# Altium PCB PCB_15122020_01BC.PcbDoc (part 2 of 9) (continued)
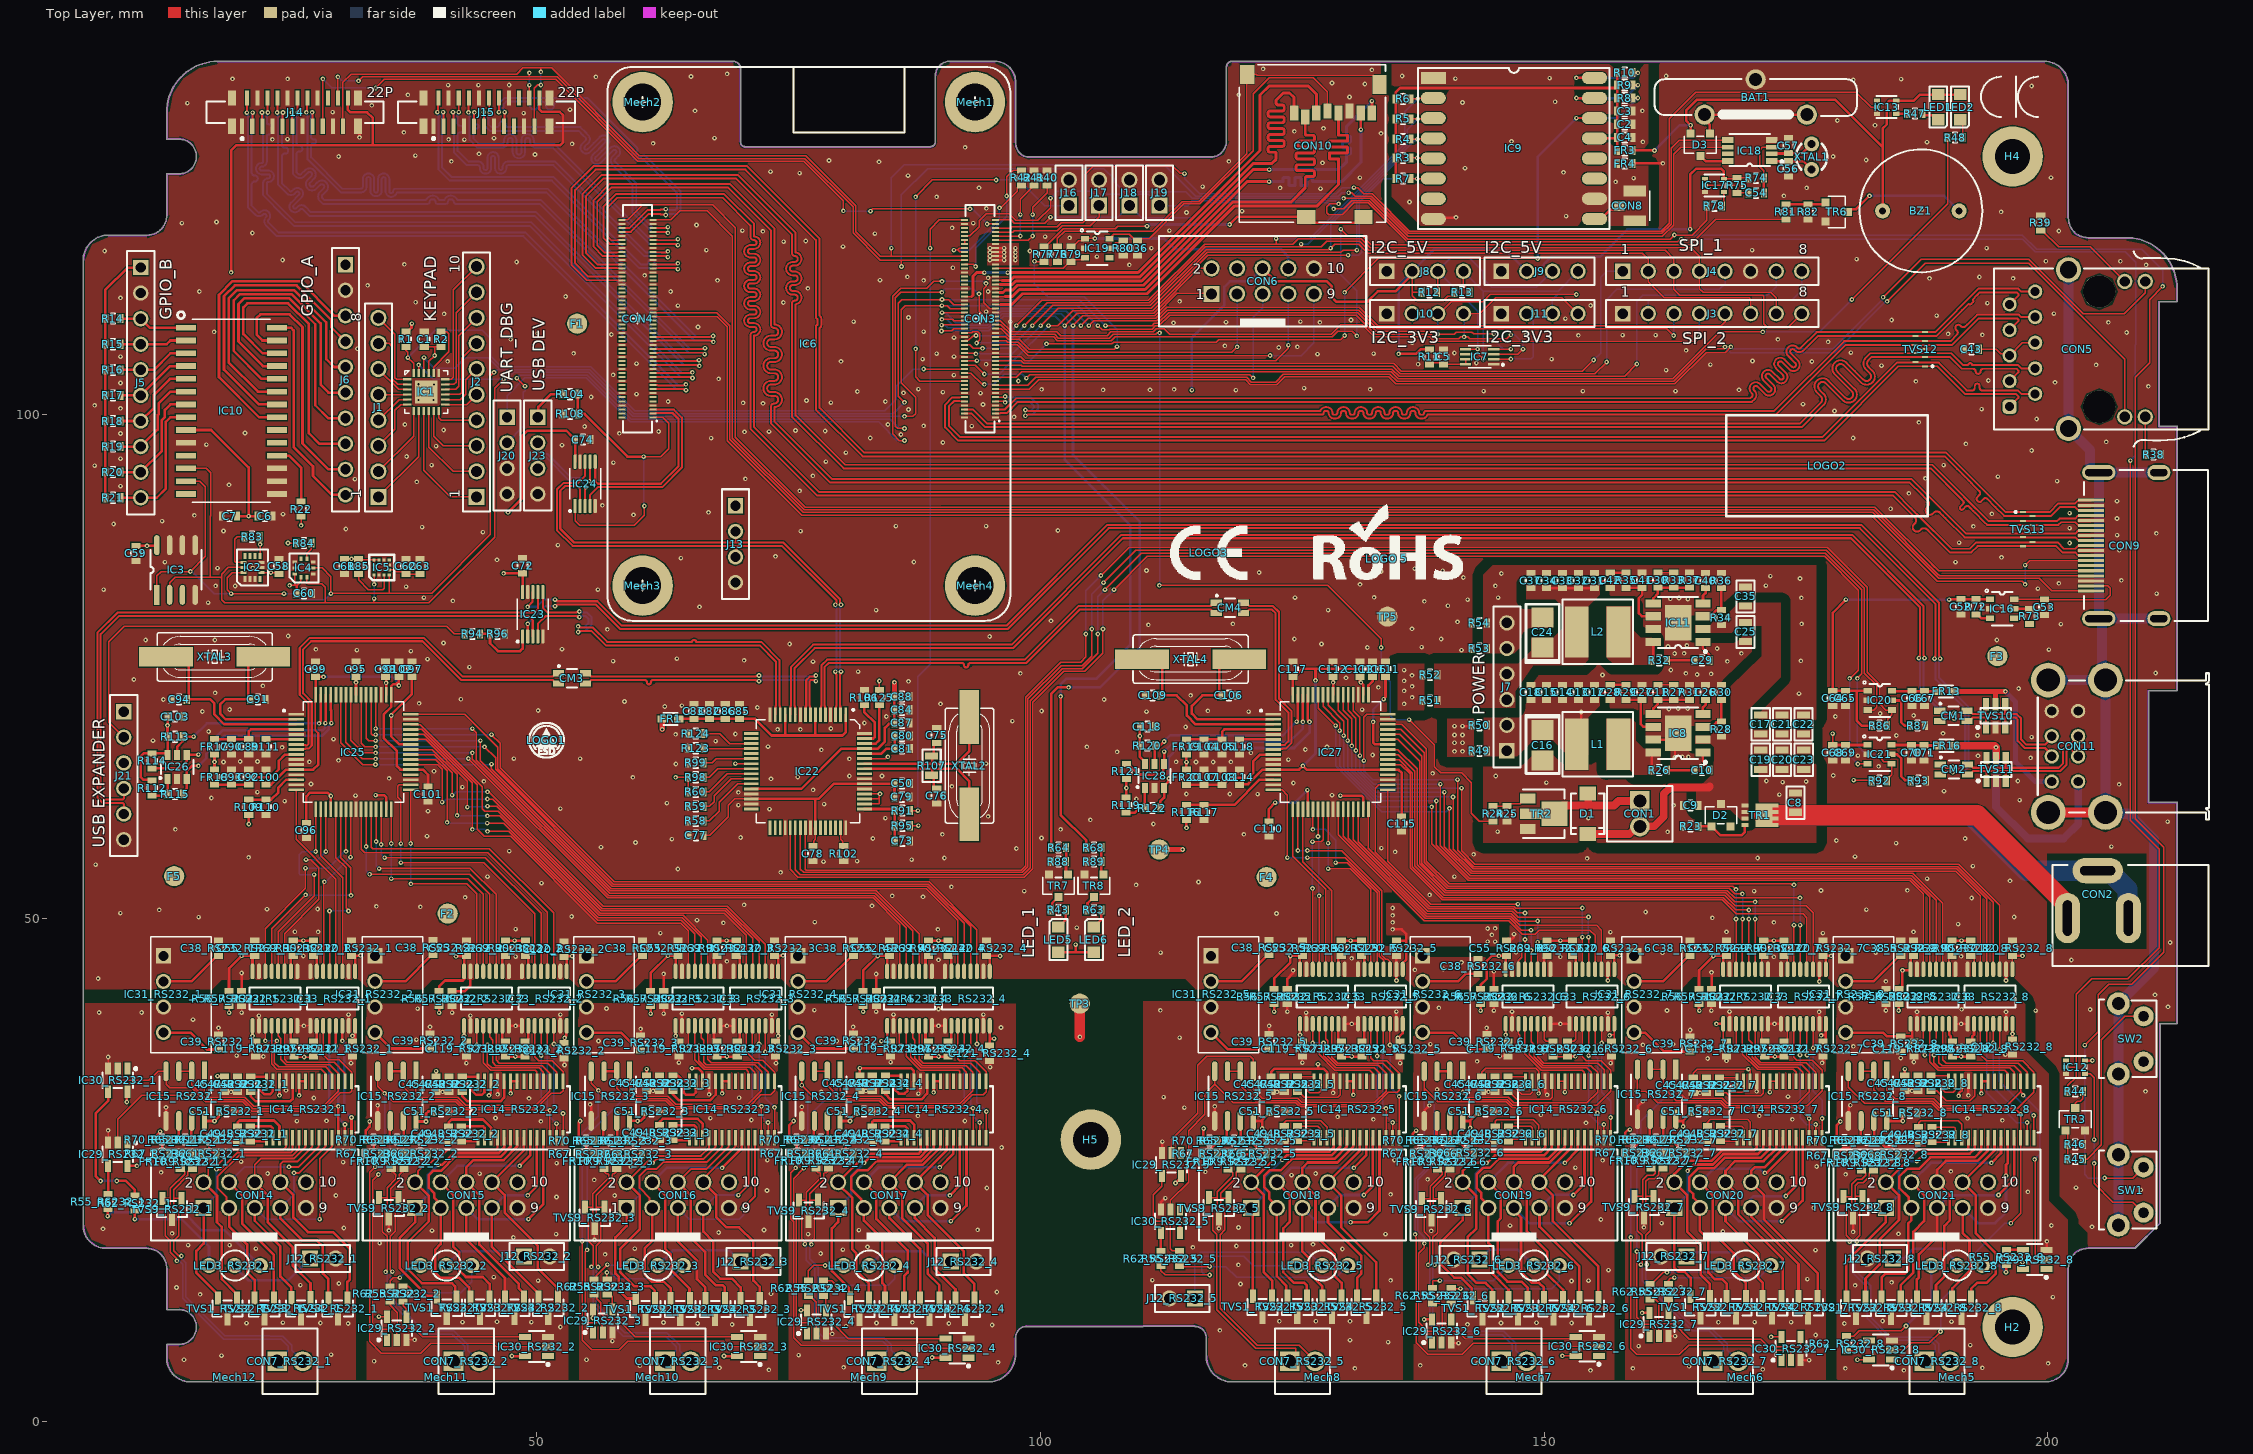
[diagram p0: Top Layer view]
## Footprints (in the part's own frame and the unit in brackets; to place one, negate y for a bottom-side part, rotate by r counter-clockwise, add the part's x,y. Pads: shape width x height; smd on the part's side, far side on the other; paste and mask are expansions set on the pad) (continued)
FORKCRYSTAL [mm]
  round 1.5 hole 0.8: 1(-1.27,0) 2(1.27,0)
  silkscreen extent -1.27,-1.54 1.27,1.54, body extent -1.72,-1.6 1.73,1.6, height 8.27
FR_0603 [mm]
  rect 0.6x0.9 smd: 1(-0.75,0) 2(0.75,0)
  silkscreen extent -0.2,-0.5 0.2,0.5, body extent -0.8,-0.4 0.8,0.4, height 0.81
HLGA10_2P5X2P5 [mil]
  rect 18x12 smd paste+0 mask+0: 1(-36,11.81) 2(-36,-11.81) 6(36,-11.81) 7(36,11.81)
  rect 12x18 smd paste+0 mask+0: 3(-23.62,-36) 4(0,-36) 5(23.62,-36) 8(23.62,36) 9(0,36) 10(-23.62,36)
  silkscreen extent -56,-56 56,56, body extent -39,-39 39,39, height 32
HRS_DF40C-100DS-0.4V(51) [mm]
  rect 0.2x0.7 smd: 1(-9.8,-1.54) 2(-9.8,1.54) 3(-9.4,-1.54) 4(-9.4,1.54) 5(-9,-1.54) 6(-9,1.54) 7(-8.6,-1.54) 8(-8.6,1.54) 9(-8.2,-1.54) 10(-8.2,1.54) 11(-7.8,-1.54) 12(-7.8,1.54) 13(-7.4,-1.54) 14(-7.4,1.54) 15(-7,-1.54) 16(-7,1.54) 17(-6.6,-1.54) 18(-6.6,1.54) 19(-6.2,-1.54) 20(-6.2,1.54) 21(-5.8,-1.54) 22(-5.8,1.54) 23(-5.4,-1.54) 24(-5.4,1.54) 25(-5,-1.54) 26(-5,1.54) 27(-4.6,-1.54) 28(-4.6,1.54) 29(-4.2,-1.54) 30(-4.2,1.54) 31(-3.8,-1.54) 32(-3.8,1.54) 33(-3.4,-1.54) 34(-3.4,1.54) 35(-3,-1.54) 36(-3,1.54) 37(-2.6,-1.54) 38(-2.6,1.54) 39(-2.2,-1.54) 40(-2.2,1.54) 41(-1.8,-1.54) 42(-1.8,1.54) 43(-1.4,-1.54) 44(-1.4,1.54) 45(-1,-1.54) 46(-1,1.54) 47(-0.6,-1.54) 48(-0.6,1.54) 49(-0.2,-1.54) 50(-0.2,1.54) 51(0.2,-1.54) 52(0.2,1.54) 53(0.6,-1.54) 54(0.6,1.54) 55(1,-1.54) 56(1,1.54) 57(1.4,-1.54) 58(1.4,1.54) 59(1.8,-1.54) 60(1.8,1.54) 61(2.2,-1.54) 62(2.2,1.54) 63(2.6,-1.54) 64(2.6,1.54) 65(3,-1.54) 66(3,1.54) 67(3.4,-1.54) 68(3.4,1.54) 69(3.8,-1.54) 70(3.8,1.54) 71(4.2,-1.54) 72(4.2,1.54) 73(4.6,-1.54) 74(4.6,1.54) 75(5,-1.54) 76(5,1.54) 77(5.4,-1.54) 78(5.4,1.54) 79(5.8,-1.54) 80(5.8,1.54) 81(6.2,-1.54) 82(6.2,1.54) 83(6.6,-1.54) 84(6.6,1.54) 85(7,-1.54) 86(7,1.54) 87(7.4,-1.54) 88(7.4,1.54) 89(7.8,-1.54) 90(7.8,1.54) 91(8.2,-1.54) 92(8.2,1.54) 93(8.6,-1.54) 94(8.6,1.54) 95(9,-1.54) 96(9,1.54) 97(9.4,-1.54) 98(9.4,1.54) 99(9.8,-1.54) 100(9.8,1.54)
  silkscreen extent -11.3,-1.91 11.3,1.44, body extent -11.3,-1.69 11.3,1.69, height 1.61
L-KLS1-DC-005A-2.0 [mm]
  oval 2.5x5 hole 0.9 slot 3.5 at 90 deg: 1(13.75,0) 2(7.7,0)
  oval 5x2.5 hole 3.5 slot 0.9 at 90 deg: 3(10.75,-4.7)
  silkscreen extent -0.25,-5.25 15.25,4.75, body extent 0,-5 14.5,4.5, height 10.71
LGA12 [mm]
  rect 0.3x0.3 smd mask+0: 1(-0.75,0.75) 2(-0.75,0.25) 3(-0.75,-0.25) 4(-0.75,-0.75) 5(-0.25,-0.75) 6(0.25,-0.75) 7(0.75,-0.75) 8(0.75,-0.25) 9(0.75,0.25) 10(0.75,0.75) 11(0.25,0.75) 12(-0.25,0.75)
  silkscreen extent -1.25,-1.25 1.25,1.25, body extent -1,-1 1,1, height 0.96
MSOP-10N [mm]
  rrect50% 1.4x0.3 smd: 1(-2.2,1) 2(-2.2,0.5) 3(-2.2,0) 4(-2.2,-0.5) 5(-2.2,-1) 6(2.2,-1) 7(2.2,-0.5) 8(2.2,0) 9(2.2,0.5) 10(2.2,1)
  silkscreen extent -2.8,-1.55 1.55,1.6, body extent -2.46,-1.5 2.46,1.5, height 1
PowerDI3333-8 [mm]
  rect 0.42x0.7 smd: 1(-0.975,-1.5) 1(-0.325,-1.5) 1(0.325,-1.5) 2(0.975,-1.5) 3(-0.975,1.5) 3(-0.325,1.5) 3(0.325,1.5) 3(0.975,1.5)
  rect 2.37x1.71 smd: 3(0,0.4)
  body extent -1.65,-1.65 1.65,1.65, height 0.76
PQFN50P300X250X86-14N [mm]
  rect 0.6x0.3 smd mask+0: 1(-1.16,0.75) 2(-1.16,0.25) 3(-1.16,-0.25) 4(-1.16,-0.75) 8(1.16,-0.75) 9(1.16,-0.25) 10(1.16,0.25) 11(1.16,0.75)
  rect 0.3x0.6 smd mask+0: 5(-0.5,-0.91) 6(0,-0.91) 7(0.5,-0.91) 12(0.5,0.91) 13(0,0.91) 14(-0.5,0.91)
  silkscreen extent -1.78,-1.52 1.78,1.52, body extent -1.5,-1.25 1.5,1.25, height 0.89
QFP50P1200X1200X160-64N [mm]
  rrect25% 1.56x0.28 smd: 1(-5.68,3.75) 2(-5.68,3.25) 3(-5.68,2.75) 4(-5.68,2.25) 5(-5.68,1.75) 6(-5.68,1.25) 7(-5.68,0.75) 8(-5.68,0.25) 9(-5.68,-0.25) 10(-5.68,-0.75) 11(-5.68,-1.25) 12(-5.68,-1.75) 13(-5.68,-2.25) 14(-5.68,-2.75) 15(-5.68,-3.25) 16(-5.68,-3.75) 33(5.68,-3.75) 34(5.68,-3.25) 35(5.68,-2.75) 36(5.68,-2.25) 37(5.68,-1.75) 38(5.68,-1.25) 39(5.68,-0.75) 40(5.68,-0.25) 41(5.68,0.25) 42(5.68,0.75) 43(5.68,1.25) 44(5.68,1.75) 45(5.68,2.25) 46(5.68,2.75) 47(5.68,3.25) 48(5.68,3.75)
  rrect25% 0.28x1.56 smd: 17(-3.75,-5.68) 18(-3.25,-5.68) 19(-2.75,-5.68) 20(-2.25,-5.68) 21(-1.75,-5.68) 22(-1.25,-5.68) 23(-0.75,-5.68) 24(-0.25,-5.68) 25(0.25,-5.68) 26(0.75,-5.68) 27(1.25,-5.68) 28(1.75,-5.68) 29(2.25,-5.68) 30(2.75,-5.68) 31(3.25,-5.68) 32(3.75,-5.68) 49(3.75,5.68) 50(3.25,5.68) 51(2.75,5.68) 52(2.25,5.68) 53(1.75,5.68) 54(1.25,5.68) 55(0.75,5.68) 56(0.25,5.68) 57(-0.25,5.68) 58(-0.75,5.68) 59(-1.25,5.68) 60(-1.75,5.68) 61(-2.25,5.68) 62(-2.75,5.68) 63(-3.25,5.68) 64(-3.75,5.68)
  silkscreen extent -7,-5 5,5, body extent -6,-6 6,6, height 1.61
QSOP16 [mm]
  oval 1.55x0.4 smd: 1(-2.7,2.222) 2(-2.7,1.587) 3(-2.7,0.952) 4(-2.7,0.317) 5(-2.7,-0.318) 6(-2.7,-0.953) 7(-2.7,-1.588) 8(-2.7,-2.222) 9(2.7,-2.222) 10(2.7,-1.587) 11(2.7,-0.952) 12(2.7,-0.317) 13(2.7,0.318) 14(2.7,0.953) 15(2.7,1.588) 16(2.7,2.222)
  silkscreen extent -1.09,-2.54 1.09,2.54, body extent -3.01,-2.49 3.01,2.49, height 1.81
R0603 [mm]
  rect 0.6x0.9 smd: 1(-0.75,0) 2(0.75,0)
  silkscreen extent -0.2,-0.5 0.2,0.5, body extent -0.8,-0.4 0.8,0.4, height 0.46
R0805 [mm]
  rect 0.7x1.3 smd: 1(-0.95,0) 2(0.95,0)
  silkscreen extent -1.6,-0.9 1.6,0.9, body extent -1,-0.62 1,0.63, height 0.61
RFM95 [mm]
  rect 2.5x1.2 smd: 1(-8,7)
  oval 2.5x1.2 smd: 2(-8,5) 3(-8,3) 4(-8,1) 5(-8,-1) 6(-8,-3) 7(-8,-5) 8(-8,-7) 9(8,-7) 10(8,-5) 11(8,-3) 12(8,-1) 13(8,1) 14(8,3) 15(8,5) 16(8,7)
  silkscreen extent -9.5,-8 9.5,8, body extent -8,-7.9 8,8, height 2.24
RFM-0505S [mm] "dc-dc modul"
  rect 1.508x1.508 hole 1: 1(-3.85,-1.75)
  round 1.508 hole 1: 2(-1.31,-1.75) 3(1.23,-1.75) 4(3.77,-1.75)
  silkscreen extent -5.75,-3 5.75,3, body extent -5.75,-3.02 5.75,3.03, height 7.71
"Right angle 9mm" [mm]
  round 2 hole 1: 1(-2.25,-2.5) 2(2.25,-2.5)
  round 2.25 hole 1.3: 3(-3.5,0) 3(3.5,0)
  silkscreen extent -3.9,-3.8 3.9,1.9, body extent -3.7,-10.75 3.7,1.75, height 7.01
ROHS [mm]
  silkscreen extent -7.31,-2.06 7.55,5.41
SMA/DO-214AC [mm]
  rect 1.4x1.64 smd: 1(-2.015,0) 2(2.015,0)
  silkscreen extent -2.03,-1.65 2.03,1.65, body extent -2.75,-1.4 2.75,1.4, height 2.56
SMD_2mmPoint [mm]
  round 2 smd: 1(0,0)
SO08 [mm]
  rect 1.98x0.53 smd: 1(-2.465,1.905)
  oval 1.98x0.53 smd: 2(-2.465,0.635) 3(-2.465,-0.635) 4(-2.465,-1.905) 5(2.465,-1.905) 6(2.465,-0.635) 7(2.465,0.635) 8(2.465,1.905)
  silkscreen extent -1.96,-2.54 1.98,2.54, body extent -2.89,-2.45 2.89,2.45, height 1.46
SO-8EP [mm]
  rect 1.505x0.802 smd: 1(-2.465,1.905) 2(-2.465,0.635) 3(-2.465,-0.635) 4(-2.465,-1.905) 5(2.465,-1.905) 6(2.465,-0.635) 7(2.465,0.635) 8(2.465,1.905)
  rect 2.613x3.502 smd: 9(0,0)
  silkscreen extent -2.83,-2.54 1.98,3, body extent -2.89,-2.45 2.89,2.45, height 1.46
SOIC28-W_MC [mil]
  rect 78x22 smd: 1(-177.76,325) 2(-177.76,275) 3(-177.76,225) 4(-177.76,175) 5(-177.76,125) 6(-177.76,75) 7(-177.76,25) 8(-177.76,-25) 9(-177.76,-75) 10(-177.76,-125) 11(-177.76,-175) 12(-177.76,-225) 13(-177.76,-275) 14(-177.76,-325) 15(177.76,-325) 16(177.76,-275) 17(177.76,-225) 18(177.76,-175) 19(177.76,-125) 20(177.76,-75) 21(177.76,-25) 22(177.76,25) 23(177.76,75) 24(177.76,125) 25(177.76,175) 26(177.76,225) 27(177.76,275) 28(177.76,325)
  silkscreen extent -211,-357 153,388, body extent -203,-352 203,352, height 104
SOP50P310X90-8N [mm]
  rrect25% 1.12x0.27 smd: 1(-1.405,0.75) 2(-1.405,0.25) 3(-1.405,-0.25) 4(-1.405,-0.75) 5(1.405,-0.75) 6(1.405,-0.25) 7(1.405,0.25) 8(1.405,0.75)
  silkscreen extent -2.4,-1.1 1.15,1.1, body extent -1.55,-1 1.59,1, height 0.91
SOT23 [mm]
  rect 0.8x0.8 smd: 1(-0.95,-1.1) 2(0.95,-1.1) 3(0,1.1)
  silkscreen extent -1.58,-0.82 1.58,0.82, body extent -1.5,-1.25 1.5,1.25, height 1.11
SOT23-6 [mm]
  rect 0.55x0.8 smd: 1(-0.95,-1.2) 2(0,-1.2) 3(0.95,-1.2) 4(0.95,1.2) 5(0,1.2) 6(-0.95,1.2)
  silkscreen extent -1.92,-1.66 1.65,1.02, body extent -1.45,-1.4 1.45,1.4, height 1.45
SOT89 [mm]
  rect 1x1.5 smd: 1(-1.5,-1.75) 3(1.5,-1.75)
  rect 2.4x2.6 smd: 2(0,0.9)
  rect 1x2.2 smd: 2(0,-1.4)
  silkscreen extent -2.4,-2.2 2.4,1.9, body extent -2.25,-2.25 2.25,1.75, height 1.51
SOT353 [mm]
  rect 0.6x0.42 smd paste+0 mask+0.051: 1(-0.95,0.65) 2(-0.95,0) 3(-0.95,-0.65) 4(0.95,-0.65) 5(0.95,0.65)
  silkscreen extent -1,-1.1 1.1,1.1, body extent -1.1,-1 1.1,1, height 0.96
SOT505-1 [mm]
  rect 1.15x0.6 smd: 1(-2.175,1.042) 4(-2.175,-1.042) 5(2.175,-1.042) 8(2.175,1.042)
  rect 1.15x0.45 smd: 2(-2.175,0.317) 3(-2.175,-0.318) 6(2.175,-0.317) 7(2.175,0.318)
  silkscreen extent -3.33,-1.65 2,1.54, body extent -2.05,-1.55 2.05,1.55, height 1.1
"SOT 23-6" [mm]
  rect 0.6x1 smd: 1(-0.95,-1.2) 2(0,-1.2) 3(0.95,-1.2) 4(0.95,1.2) 5(0,1.2) 6(-0.95,1.2)
  silkscreen extent -1.77,-1.2 1.6,0.7, body extent -1.45,-1.4 1.45,1.4, height 1.45
SOT-23 [mm]
  rect 0.6x1.3 smd: 1(-0.95,-1.05) 2(0.95,-1.05) 3(0,1.05)
  silkscreen extent -1.5,-0.8 1.5,0.8, body extent -1.45,-1.4 1.45,1.4, height 1.28
SOT-23-5 [mm]
  rect 0.6x1.2 smd: 1(-0.95,-1.15) 2(0,-1.15) 3(0.95,-1.15) 4(0.95,1.15) 5(-0.95,1.15)
  silkscreen extent -1.91,-1.27 1.52,0.76, body extent -1.5,-1.25 1.5,1.25, height 1.11
SOT-23-6 [mm]
  rect 0.6x1.2 smd: 1(-0.95,-1.15) 2(0,-1.15) 3(0.95,-1.15) 4(0.95,1.15) 5(0,1.15) 6(-0.95,1.15)
  silkscreen extent -1.9,-1.27 1.52,0.76, body extent -1.45,-1.4 1.45,1.4, height 1.45
SRN6045TA [mm]
  rect 2.35x5.1 smd: 1(-2.075,0) 2(2.075,0)
  silkscreen extent -3.5,-3.2 3.5,3.2, body extent -3,-3 3,3, height 4.21
TE_1909763-1 [mm]
  rect 1x1.05 smd: 1(0,-1.525)
  rect 1.05x2.2 smd: 2(-1.475,0) 3(1.475,0)
  silkscreen extent -1.5,1.5 1.5,1.5, body extent -1.5,-1.55 1.5,1.55, height 1.24
TQFP64 [mil]
  rect 57.56x11 smd paste+0 mask+0: 1(-221,147.64) 2(-221,127.95) 3(-221,108.27) 4(-221,88.58) 5(-221,68.9) 6(-221,49.21) 7(-221,29.53) 8(-221,9.84) 9(-221,-9.84) 10(-221,-29.53) 11(-221,-49.21) 12(-221,-68.9) 13(-221,-88.58) 14(-221,-108.27) 15(-221,-127.95) 16(-221,-147.64) 33(221,-147.64) 34(221,-127.95) 35(221,-108.27) 36(221,-88.58) 37(221,-68.9) 38(221,-49.21) 39(221,-29.53) 40(221,-9.84) 41(221,9.84) 42(221,29.53) 43(221,49.21) 44(221,68.9) 45(221,88.58) 46(221,108.27) 47(221,127.95) 48(221,147.64)
  rect 11x57.56 smd paste+0 mask+0: 17(-147.64,-221) 18(-127.95,-221) 19(-108.27,-221) 20(-88.58,-221) 21(-68.9,-221) 22(-49.21,-221) 23(-29.53,-221) 24(-9.84,-221) 25(9.84,-221) 26(29.53,-221) 27(49.21,-221) 28(68.9,-221) 29(88.58,-221) 30(108.27,-221) 31(127.95,-221) 32(147.64,-221) 49(147.64,221) 50(127.95,221) 51(108.27,221) 52(88.58,221) 53(68.9,221) 54(49.21,221) 55(29.53,221) 56(9.84,221) 57(-9.84,221) 58(-29.53,221) 59(-49.21,221) 60(-68.9,221) 61(-88.58,221) 62(-108.27,221) 63(-127.95,221) 64(-147.64,221)
  silkscreen extent -244,-202 202,202, body extent -236,-236 236,236, height 47
TSSOP-28 [mm]
  rect 1.55x0.3 smd: 1(-2.8,4.225) 2(-2.8,3.575) 3(-2.8,2.925) 4(-2.8,2.275) 5(-2.8,1.625) 6(-2.8,0.975) 7(-2.8,0.325) 8(-2.8,-0.325) 9(-2.8,-0.975) 10(-2.8,-1.625) 11(-2.8,-2.275) 12(-2.8,-2.925) 13(-2.8,-3.575) 14(-2.8,-4.225) 15(2.8,-4.225) 16(2.8,-3.575) 17(2.8,-2.925) 18(2.8,-2.275) 19(2.8,-1.625) 20(2.8,-0.975) 21(2.8,-0.325) 22(2.8,0.325) 23(2.8,0.975) 24(2.8,1.625) 25(2.8,2.275) 26(2.8,2.925) 27(2.8,3.575) 28(2.8,4.225)
  silkscreen extent -2.3,-4.9 2.3,5, body extent -3.2,-4.85 3.2,4.85, height 1.21
"WE-CBF_0603_High Current" [mm] "SMD EMI Suppression Ferrite  Bead, body 1.6x0.8mm"
  rect 0.95x0.7 smd: 1(-0.825,0) 2(0.825,0)
  silkscreen extent -0.7,-0.6 0.7,0.6, body extent -0.8,-0.4 0.8,0.4, height 0.8
WE-CNSW_1206 [mm] "SMT Common Mode Line Filter, 4-leads, body 3.2x1.6mm"
  rect 1.1x0.6 smd: 1(-1.35,0.5) 2(1.35,0.5) 3(1.35,-0.5) 4(-1.35,-0.5)
  silkscreen extent -1.4,-0.9 0.5,1.3, body extent -1.6,-0.8 1.6,0.8, height 1.79
WE-TVS_DFN3810-9L [mm] "TVS Diode, package DFN3810-9L"
  rect 0.2x0.6 smd: 1(-1.7,-0.475) 2(-0.8,-0.475) 3(0,-0.475) 4(0.8,-0.475) 5(1.7,-0.475) 6(1.3,0.475) 7(0.4,0.475) 8(-0.4,0.475) 9(-1.3,0.475)
  silkscreen extent -1.8,-1.3 -1.6,-1.1, body extent -1.9,-0.5 1.9,0.5, height 0.5

## Part data
BAT1: "CR2032 Dikey Montaj", Category=Battery
BZ1: "BUZZER DEVRELI 12MM 3V 2300+300Hz H:9,5MM", Category=Buzzer, Manufacturer=TMB12A03
C1 C3 C4 C5 C7 C9 C10 C18 C26 C29 C37 C40 C43 C45_RS232_1 C45_RS232_2 C45_RS232_3 C45_RS232_4 C45_RS232_5 C45_RS232_6 C45_RS232_7 C45_RS232_8 C46_RS232_1 C46_RS232_2 C46_RS232_3 C46_RS232_4 C46_RS232_5 C46_RS232_6 C46_RS232_7 C46_RS232_8 C47_RS232_1 C47_RS232_2 C47_RS232_3 C47_RS232_4 C47_RS232_5 C47_RS232_6 C47_RS232_7 C47_RS232_8 C48_RS232_1 C48_RS232_2 C48_RS232_3 C48_RS232_4 C48_RS232_5 C48_RS232_6 C48_RS232_7 C48_RS232_8 C49_RS232_1 C49_RS232_2 C49_RS232_3 C49_RS232_4 C49_RS232_5 C49_RS232_6 C49_RS232_7 C49_RS232_8 C50 C51_RS232_1 C51_RS232_2 C51_RS232_3 C51_RS232_4 C51_RS232_5 C51_RS232_6 C51_RS232_7 C51_RS232_8 C52 C53 C54 C55_RS232_1 C55_RS232_2 C55_RS232_3 C55_RS232_4 C55_RS232_5 C55_RS232_6 C55_RS232_7 C55_RS232_8 C58 C59 C60 C61 C62 C63 C65 C66 C69 C70 C72 C73 C74 C77 C78 C81 C83 C85 C86 C87 C88 C90 C93 C95 C96 C97 C98 C99 C100 C101 C102 C103 C105 C108 C110 C111 C112 C113 C114 C115 C116 C117 C118 C119_RS232_1 C119_RS232_2 C119_RS232_3 C119_RS232_4 C119_RS232_5 C119_RS232_6 C119_RS232_7 C119_RS232_8 C120_RS232_1 C120_RS232_2 C120_RS232_3 C120_RS232_4 C120_RS232_5 C120_RS232_6 C120_RS232_7 C120_RS232_8 C121_RS232_1 C121_RS232_2 C121_RS232_3 C121_RS232_4 C121_RS232_5 C121_RS232_6 C121_RS232_7 C121_RS232_8: library part CC0603KRX7R8BB104, "100nF, 25V, X7R, 10%, 0603", Case/Package=0603, Case Code (Metric)=1608, Dielectric=X7R, Manufacturer=Yageo, Max Operating Temperature=125°C, Min Operating Temperature=-55°C, Package Quantity=1, Resistor Type=Ceramic, Supplier Part Number 1=311-1341-1-ND, Tolerance=10%, Voltage=25V, Capacitance=100nF, Case Code (Imperial)=0603, Category=Capasitor, ComponentLink1Description=https://datasheet.ciiva.com/11786/0900766b80c10176-11786120.pdf?src-supplier=RSComponents, ComponentLink1URL=https://datasheet.ciiva.com/11786/0900766b80c10176-11786120.pdf?src-supplier=RSComponents, ComponentLink2Description=https://datasheet.ciiva.com/144/mlccorderingcode-144075.pdf?src-supplier=Digi-Key, ComponentLink2URL=https://datasheet.ciiva.com/144/mlccorderingcode-144075.pdf?src-supplier=Digi-Key, ComponentLink3Description=https://datasheet.ciiva.com/17434/upy-gphc-x7r-6-3v-to-50v-8-17434263.pdf?src-supplier=Avnet+Europe, ComponentLink3URL=https://datasheet.ciiva.com/17434/upy-gphc-x7r-6-3v-to-50v-8-17434263.pdf?src-supplier=Avnet+Europe, ComponentLink4Description=https://datasheet.ciiva.com/26829/getdatasheetpartid-403577-26829431.pdf?src-supplier=Verical, ComponentLink4URL=https://datasheet.ciiva.com/26829/getdatasheetpartid-403577-26829431.pdf?src-supplier=Verical, ComponentLink5Description=https://datasheet.ciiva.com/11587/upy-gphc-x7r-6-3v-to-50v-8-11587208.pdf?src-supplier=Avnet, ComponentLink5URL=https://datasheet.ciiva.com/11587/upy-gphc-x7r-6-3v-to-50v-8-11587208.pdf?src-supplier=Avnet, ComponentLink6Description=https://datasheet.ciiva.com/13389/upy-gphc-x7r-6-3v-to-50v-8-13389352.pdf?src-supplier=Mouser, ComponentLink6URL=https://datasheet.ciiva.com/13389/upy-gphc-x7r-6-3v-to-50v-8-13389352.pdf?src-supplier=Mouser, ComponentLink7Description=https://datasheet.ciiva.com/28450/1489800-28450584.pdf?src-supplier=Element14, ComponentLink7URL=https://datasheet.ciiva.com/28450/1489800-28450584.pdf?src-supplier=Element14, ComponentLink8Description=https://datasheet.ciiva.com/144/mlccorderingcode-144073.pdf?src-supplier=Digi-Key, ComponentLink8URL=https://datasheet.ciiva.com/144/mlccorderingcode-144073.pdf?src-supplier=Digi-Key, ComponentLink9Description=https://datasheet.ciiva.com/144/mlccorderingcode-144074.pdf?src-supplier=Digi-Key, ComponentLink9URL=https://datasheet.ciiva.com/144/mlccorderingcode-144074.pdf?src-supplier=Digi-Key, ComponentLink10Description=https://datasheet.ciiva.com/7978/1489800-7978155.pdf?src-supplier=Element14, ComponentLink10URL=https://datasheet.ciiva.com/7978/1489800-7978155.pdf?src-supplier=Element14, Depth=0.8mm, Halogen Free="Halogen Free", Height=0.8mm, Lead Free="Lead Free", Length=1.6mm, Manufacturer Part Number=CC0603KRX7R8BB104, Mount="Surface Mount", Number of Pins=2, Packaging="Tape and Reel", Pricing 1="1 = 0,10000, 10 = 0,04500, 50 = 0,02480, 100 = 0,02020, 500 = 0,01444, 1000 = 0,01134 (USD)", Radiation Hardening=No, REACH SVHC=Unknown, RoHS=Yes, Stock 1=10150433, Supplier 1=Digi-Key, Termination=SMD/SMT, Thickness=0.035inch, Voltage Rating=25V, Voltage Rating (DC)=25V, Width=0.8mm
C2 C6 C12 C13 C14 C15 C31 C32 C33 C34 C36 C38_RS232_1 C38_RS232_2 C38_RS232_3 C38_RS232_4 C38_RS232_5 C38_RS232_6 C38_RS232_7 C38_RS232_8 C39_RS232_1 C39_RS232_2 C39_RS232_3 C39_RS232_4 C39_RS232_5 C39_RS232_6 C39_RS232_7 C39_RS232_8 C67 C71 C79 C80 C82 C84 C89 C92 C104 C107: library part CC0603MRX5R6BB106, "10uF 10V X5R 20% SMD 0603 85C Paper T/R", Case/Package=0603, Case Code (Metric)=1608, Dielectric=X5R, Manufacturer=Yageo, Max Operating Temperature=85°C, Min Operating Temperature=-55°C, Resistor Type=Ceramic, Supplier Part Number 1=311-1817-1-ND, Tolerance=20%, Voltage Rating=10V, Capacitance=10uF, Case Code (Imperial)=0603, Category=Capasitor, ComponentLink1Description=http://components.arrow.com/part/dataview/0323_03079270?src-supplier=Arrow+Europe, ComponentLink1URL=http://components.arrow.com/part/dataview/0323_03079270?src-supplier=Arrow+Europe, ComponentLink2Description=http://www.mouser.com/ds/2/447/UPY-GPHC_X5R_4V-to-50V_25-1131599.pdf?src-supplier=Mouser, ComponentLink2URL=http://www.mouser.com/ds/2/447/UPY-GPHC_X5R_4V-to-50V_25-1131599.pdf?src-supplier=Mouser, ComponentLink3Description=http://www.yageo.com/documents/recent/UPY-GPHC_X5R_4V-to-50V_25.pdf?src-supplier=Digi-Key, ComponentLink3URL=http://www.yageo.com/documents/recent/UPY-GPHC_X5R_4V-to-50V_25.pdf?src-supplier=Digi-Key, Depth=0.8mm, Halogen Free="Halogen Free", Lead Free="Lead Free", Length=0.063inch, Manufacturer Part Number=CC0603MRX5R6BB106, Mount="Surface Mount", Packaging="Tape and Reel", Pricing 1="1 = 0,20000, 10 = 0,13700, 50 = 0,08200, 100 = 0,06920, 500 = 0,04736, 1000 = 0,04190 (USD)", RoHS=Yes, Stock 1=209492, Supplier 1=Digi-Key, Termination=SMD/SMT, Thickness=0.035inch, Voltage Rating (DC)=10V, Weight=7.1E-05oz, Width=0.031inch
C8: library part CL21B104MBCNNNC, "100nF 50V X7R 20% SMD 0805 125C Paper T/R", Case/Package=0805, Case Code (Metric)=2012, Dielectric=X7R, Manufacturer=Samsung, Max Operating Temperature=125°C, Min Operating Temperature=-55°C, Package Quantity=1, Supplier Part Number 1=1276-2450-1-ND, Tolerance=20%, Voltage=50V, Capacitance=100nF, Case Code (Imperial)=0805, Category=Capasitor, ComponentLink1Description=https://datasheet.ciiva.com/25780/cl21b104mbcnnnc-25780224.pdf?src-supplier=Digi-Key, ComponentLink1URL=https://datasheet.ciiva.com/25780/cl21b104mbcnnnc-25780224.pdf?src-supplier=Digi-Key, ComponentLink2Description=https://datasheet.ciiva.com/16428/cl21b104mbcnnnc-16428869.pdf?src-supplier=Future+Electronics, ComponentLink2URL=https://datasheet.ciiva.com/16428/cl21b104mbcnnnc-16428869.pdf?src-supplier=Future+Electronics, ComponentLink3Description=https://datasheet.ciiva.com/26838/getdatasheetpartid-746552-26838664.pdf?src-supplier=Verical, ComponentLink3URL=https://datasheet.ciiva.com/26838/getdatasheetpartid-746552-26838664.pdf?src-supplier=Verical, Depth=1.25mm, Height=0.85mm, Lead Free="Lead Free", Length=2mm, Manufacturer Part Number=CL21B104MBCNNNC, Mount="Surface Mount", Packaging="Tape and Reel", Pricing 1="1 = 0,10000, 10 = 0,04500, 100 = 0,02020, 500 = 0,01444, 1000 = 0,01134 (USD)", Radiation Hardening=No, RoHS=Yes, Stock 1=602, Supplier 1=Digi-Key, Thickness=0.037inch, Voltage Rating=50V, Voltage Rating (DC)=50V, Width=0.049inch
C11 C27 C30 C41: library part CC0603JRNPO9BN330, "33PF ,50V ,NP0 ,0603", Case/Package=0603, Case Code (Metric)=1608, Dielectric=C0G, Dielectric Material=Ceramic, Insulation Resistance=100GR, Manufacturer=Yageo, Max Operating Temperature=125°C, Min Operating Temperature=-55°C, Package Quantity=1, Supplier Part Number 1=311-1064-1-ND, Temperature Coefficient=30ppm/°C, Tolerance=5%, Voltage=50V, Capacitance=33pF, Case Code (Imperial)=0603, Category=Capasitor, ComponentLink1Description=https://datasheet.ciiva.com/11786/0900766b8079c870-11786082.pdf?src-supplier=RSComponents, ComponentLink1URL=https://datasheet.ciiva.com/11786/0900766b8079c870-11786082.pdf?src-supplier=RSComponents, ComponentLink2Description=https://datasheet.ciiva.com/26862/getdatasheetpartid-403532-26862767.pdf?src-supplier=Verical, ComponentLink2URL=https://datasheet.ciiva.com/26862/getdatasheetpartid-403532-26862767.pdf?src-supplier=Verical, ComponentLink3Description=https://datasheet.ciiva.com/144/mlccorderingcode-144643.pdf?src-supplier=Digi-Key, ComponentLink3URL=https://datasheet.ciiva.com/144/mlccorderingcode-144643.pdf?src-supplier=Digi-Key, ComponentLink4Description=https://datasheet.ciiva.com/144/mlccorderingcode-144644.pdf?src-supplier=Digi-Key, ComponentLink4URL=https://datasheet.ciiva.com/144/mlccorderingcode-144644.pdf?src-supplier=Digi-Key, ComponentLink5Description=https://datasheet.ciiva.com/144/mlccorderingcode-144645.pdf?src-supplier=Digi-Key, ComponentLink5URL=https://datasheet.ciiva.com/144/mlccorderingcode-144645.pdf?src-supplier=Digi-Key, ComponentLink6Description=https://datasheet.ciiva.com/5426/upy-gp-np0-16v-to-50v-8-5426614.pdf?src-supplier=Mouser, ComponentLink6URL=https://datasheet.ciiva.com/5426/upy-gp-np0-16v-to-50v-8-5426614.pdf?src-supplier=Mouser, ComponentLink7Description=https://datasheet.ciiva.com/8033/1372269-8033734.pdf?src-supplier=Element14, ComponentLink7URL=https://datasheet.ciiva.com/8033/1372269-8033734.pdf?src-supplier=Element14, ComponentLink8Description=https://datasheet.ciiva.com/8033/1443161-8033735.pdf?src-supplier=Element14, ComponentLink8URL=https://datasheet.ciiva.com/8033/1443161-8033735.pdf?src-supplier=Element14, ComponentLink9Description=https://datasheet.ciiva.com/11464/upy-gp-np0-16v-to-50v-8-11464730.pdf?src-supplier=Avnet, ComponentLink9URL=https://datasheet.ciiva.com/11464/upy-gp-np0-16v-to-50v-8-11464730.pdf?src-supplier=Avnet, ComponentLink10Description=https://datasheet.ciiva.com/46430/1835847-46430155.pdf?src-supplier=Element14, ComponentLink10URL=https://datasheet.ciiva.com/46430/1835847-46430155.pdf?src-supplier=Element14, ComponentLink11Description=https://datasheet.ciiva.com/7978/1443161-7978142.pdf?src-supplier=Element14, ComponentLink11URL=https://datasheet.ciiva.com/7978/1443161-7978142.pdf?src-supplier=Element14, Depth=0.8mm, Height=0.8mm, Lead Free="Lead Free", Length=1.6mm, Manufacturer Part Number=CC0603JRNPO9BN330, Mount="Surface Mount", Number of Pins=2, Packaging="Tape and Reel", Pricing 1="1 = 0,10000, 10 = 0,04200, 50 = 0,02320, 100 = 0,01890, 500 = 0,01352, 1000 = 0,01062 (USD)", Radiation Hardening=No, REACH SVHC="No SVHC", Resistor Type=Ceramic, RoHS=Yes, Stock 1=152637, Supplier 1=Digi-Key, Termination=SMD/SMT, Thickness=0.035inch, Voltage Rating=50V, Voltage Rating (DC)=50V, Width=0.031inch
C16 C24: library part T491B107K006AT, "100uF ,6V ,Tantalum ,Case B", Case/Package=1411, Case Code (Metric)=3528, Dielectric Material=Tantalum, ESR (Equivalent Series Resistance)=3R, Leakage Current=6.3uA, Manufacturer=KEMET, Max Operating Temperature=125°C, Min Operating Temperature=-55°C, Package Quantity=1, Supplier Part Number 1=399-8301-1-ND, Tolerance=10%, Voltage=6.3V, Voltage Rating (DC)=6V, Capacitance=100uF, Case Code (Imperial)=1411, Category=Capasitor, ComponentLink1Description=https://datasheet.ciiva.com/6228/kem-t2005-t491-6228472.pdf?src-supplier=Digi-Key, ComponentLink1URL=https://datasheet.ciiva.com/6228/kem-t2005-t491-6228472.pdf?src-supplier=Digi-Key, ComponentLink2Description=https://datasheet.ciiva.com/5933/1446014-5933946.pdf?src-supplier=Farnell, ComponentLink2URL=https://datasheet.ciiva.com/5933/1446014-5933946.pdf?src-supplier=Farnell, ComponentLink3Description=https://datasheet.ciiva.com/46385/1854511-46385387.pdf?src-supplier=Element14, ComponentLink3URL=https://datasheet.ciiva.com/46385/1854511-46385387.pdf?src-supplier=Element14, ComponentLink4Description=https://datasheet.ciiva.com/6228/kem-t2005-t491-6228470.pdf?src-supplier=Digi-Key, ComponentLink4URL=https://datasheet.ciiva.com/6228/kem-t2005-t491-6228470.pdf?src-supplier=Digi-Key, ComponentLink5Description=https://datasheet.ciiva.com/6228/kem-t2005-t491-6228471.pdf?src-supplier=Digi-Key, ComponentLink5URL=https://datasheet.ciiva.com/6228/kem-t2005-t491-6228471.pdf?src-supplier=Digi-Key, ComponentLink6Description=https://datasheet.ciiva.com/5933/1851156-5933948.pdf?src-supplier=Farnell, ComponentLink6URL=https://datasheet.ciiva.com/5933/1851156-5933948.pdf?src-supplier=Farnell, Depth=2.8mm, Dissipation Factor=15%, Failure Rate=0.001%, Features="General Purpose", Height=1.9mm, Height - Seated (Max)=0.083inch, Lead Free="Lead Free", Length=3.5mm, Life (Hours)=2000Hour, Manufacturer Part Number=T491B107K006AT, Mount="Surface Mount", Number of Pins=2, Packaging="Tape and Reel", Polarity=Polar, Pricing 1="1 = 0,96000, 10 = 0,73200, 50 = 0,60820, 100 = 0,52360, 500 = 0,40540, 1000 = 0,34910 (USD)", Radiation Hardening=No, REACH SVHC="No SVHC", RoHS=Yes, Stock 1=3756, Supplier 1=Digi-Key, Termination=SMD/SMT, Voltage Rating=6.3V, Width=2.8mm
C17 C19 C20 C21 C22 C23 C25 C35: library part GRM21BC8YA106ME11L, "10uF ,35 V X6S ,0805", Case/Package=0805, Case Code (Metric)=2012, Dielectric=X6S, Manufacturer=Murata, Max Operating Temperature=105°C, Min Operating Temperature=-55°C, Supplier Part Number 1=490-10505-1-ND, Tolerance=20%, Voltage Rating=35V, Capacitance=10uF, Case Code (Imperial)=0805, Category=Capasitor, ComponentLink1Description=http://search.murata.co.jp/Ceramy/image/img/A01X/G101/ENG/GRM21BC8YA106ME11-01.pdf?src-supplier=Digi-Key, ComponentLink1URL=http://search.murata.co.jp/Ceramy/image/img/A01X/G101/ENG/GRM21BC8YA106ME11-01.pdf?src-supplier=Digi-Key, ComponentLink2Description=http://search.murata.co.jp/Ceramy/image/img/A01X/partnumbering_e_01.pdf?src-supplier=Digi-Key, ComponentLink2URL=http://search.murata.co.jp/Ceramy/image/img/A01X/partnumbering_e_01.pdf?src-supplier=Digi-Key, Length=0.079inch, Manufacturer Part Number=GRM21BC8YA106ME11L, Mount="Surface Mount", Packaging="Tape and Reel", Pricing 1="1 = 0,42000, 10 = 0,28900, 50 = 0,20220, 100 = 0,17320, 500 = 0,12994, 1000 = 0,10972 (USD)", RoHS=Yes, Stock 1=67295, Supplier 1=Digi-Key, Thickness=0.057inch, Voltage Rating (DC)=35V, Width=0.049inch
C28 C42: library part CC0603KRX7R9BB122, "1.2nF ,50V ,X7R ,0603", Case/Package=0603, Case Code (Metric)=1608, Dielectric=X7R, Dielectric Material=Ceramic, Insulation Resistance=100GR, Manufacturer=Yageo, Max Operating Temperature=125°C, Min Operating Temperature=-55°C, Package Quantity=4000, Supplier Part Number 1=311-1806-1-ND, Tolerance=10%, Voltage Rating=50V, Capacitance=1.2nF, Case Code (Imperial)=0603, Category=Capasitor, ComponentLink1Description=https://datasheet.ciiva.com/8033/1489800-8033829.pdf?src-supplier=Element14, ComponentLink1URL=https://datasheet.ciiva.com/8033/1489800-8033829.pdf?src-supplier=Element14, ComponentLink2Description=https://datasheet.ciiva.com/16623/upy-gphc-x7r-6-3v-to-50v-8-16623895.pdf?src-supplier=Avnet+Europe, ComponentLink2URL=https://datasheet.ciiva.com/16623/upy-gphc-x7r-6-3v-to-50v-8-16623895.pdf?src-supplier=Avnet+Europe, ComponentLink3Description=https://datasheet.ciiva.com/13209/upy-gphc-x7r-6-3v-to-50v-8-12304-13209023.pdf?src-supplier=Mouser, ComponentLink3URL=https://datasheet.ciiva.com/13209/upy-gphc-x7r-6-3v-to-50v-8-12304-13209023.pdf?src-supplier=Mouser, Depth=0.8mm, Halogen Free="Halogen Free", Height=0.8mm, Lead Free="Lead Free", Length=1.6mm, Manufacturer Part Number=CC0603KRX7R9BB122, Mount="Surface Mount", Packaging="Tape and Reel", Pricing 1="1 = 0,10000, 10 = 0,06600, 50 = 0,03620, 100 = 0,02950, 500 = 0,02106, 1000 = 0,01655 (USD)", Radiation Hardening=No, REACH SVHC=Unknown, Resistor Type=Ceramic, RoHS=Yes, Stock 1=29509, Supplier 1=Digi-Key, Termination=SMD/SMT, Thickness=0.035inch, Voltage Rating (DC)=50V, Weight=7.1E-05oz, Width=0.031inch